# Altium PCB PCB1_OLD.PcbDoc
Units mm, origin at the board's own origin, x right, y up, seen from the top; angles counter-clockwise.
Board outline 110 x 110 mm, 2 copper layers (Top Layer, Bottom Layer); 57 components, 50 nets, 227 pads, 6 vias.
Unrouted connection lines stored in the file: 13.
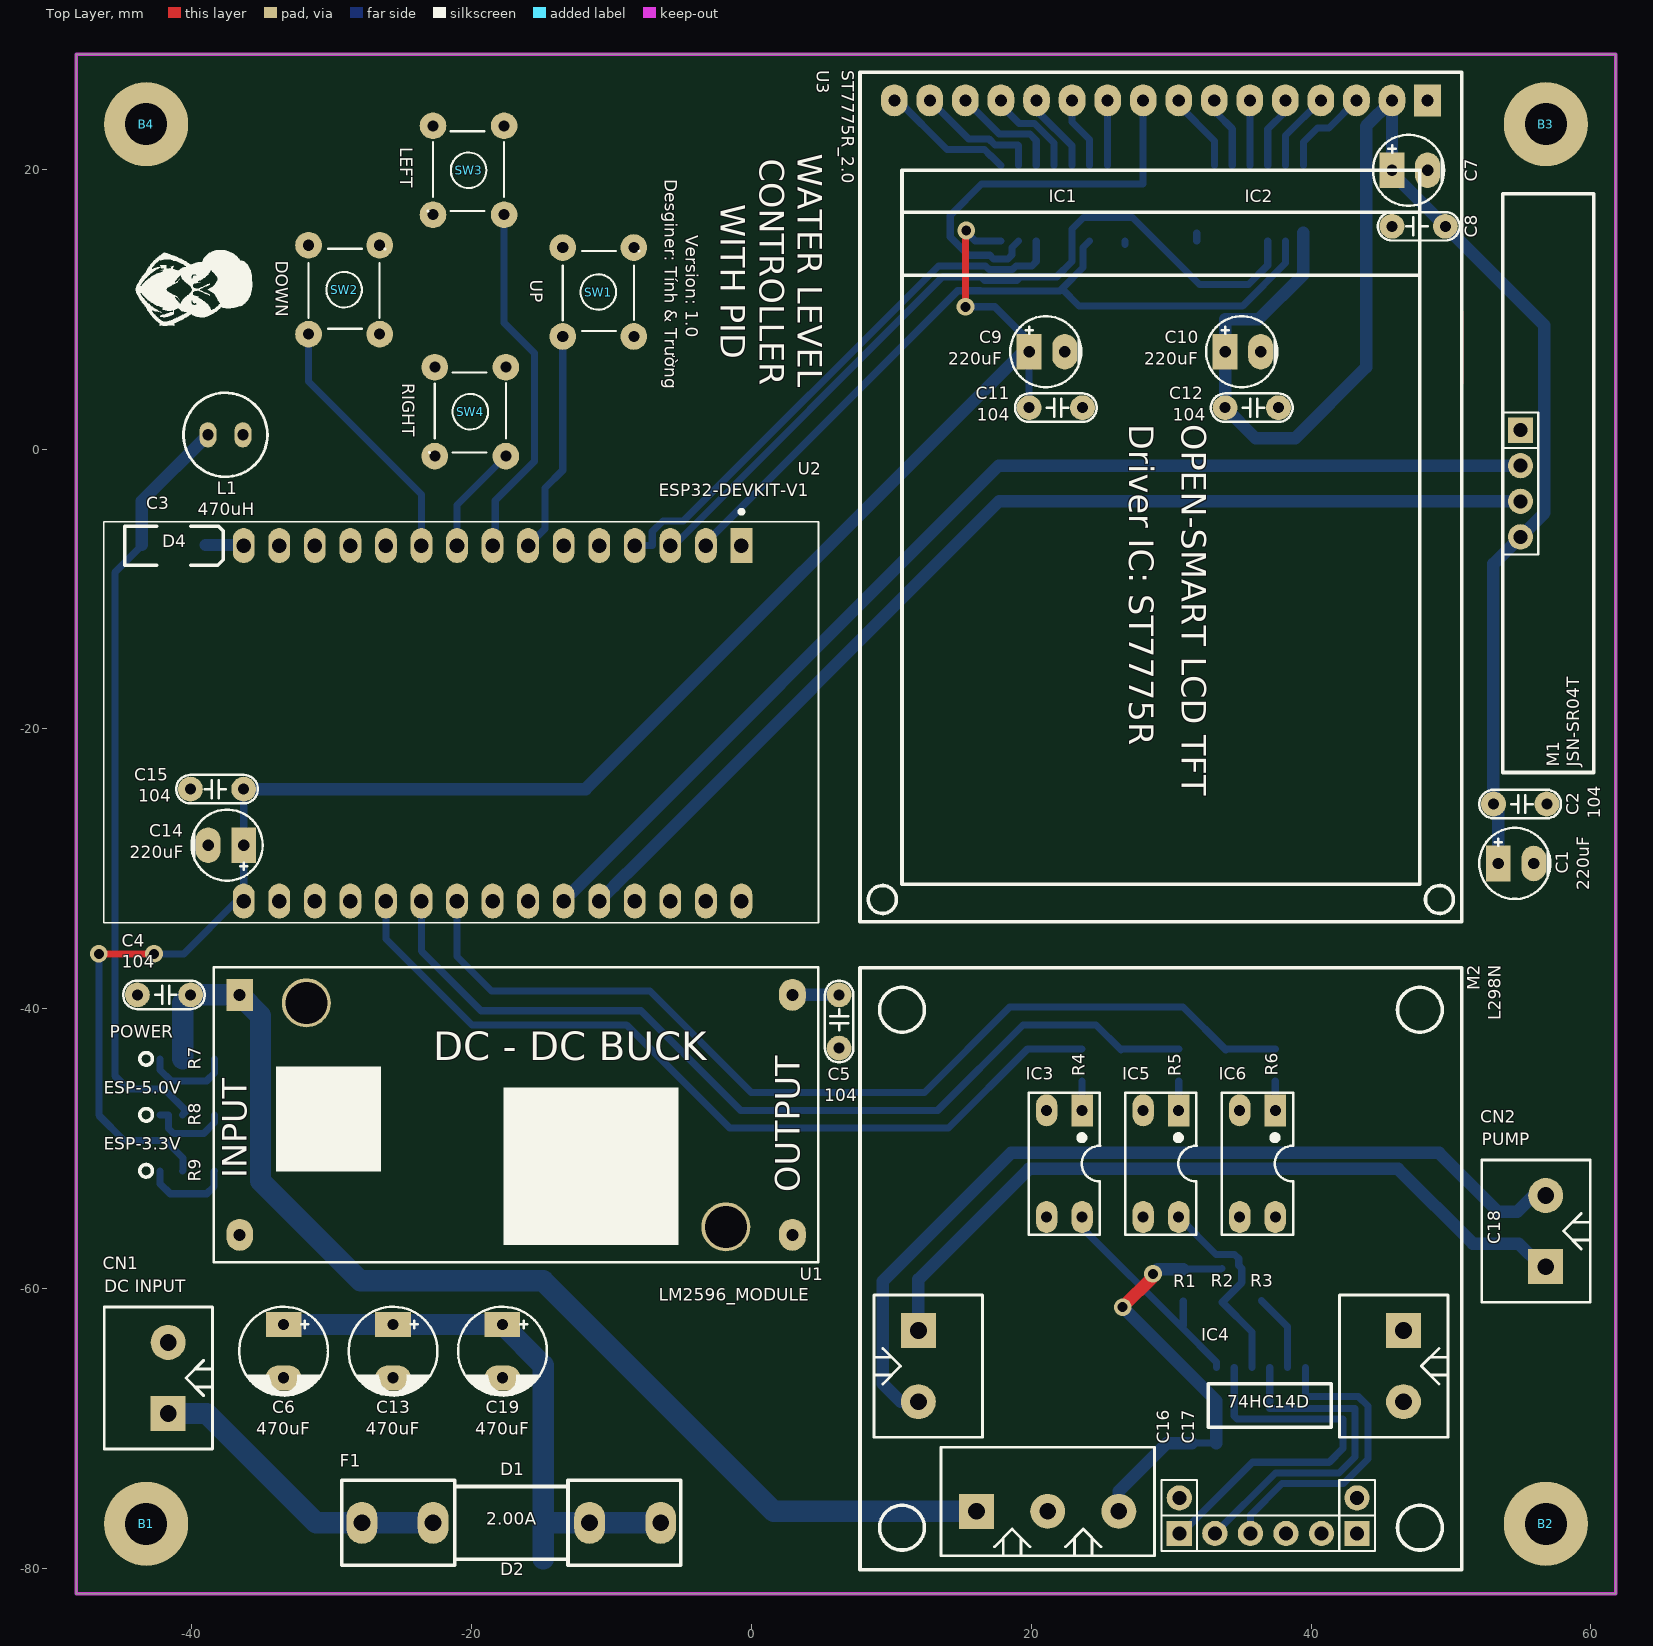
[diagram p0: Top Layer view]
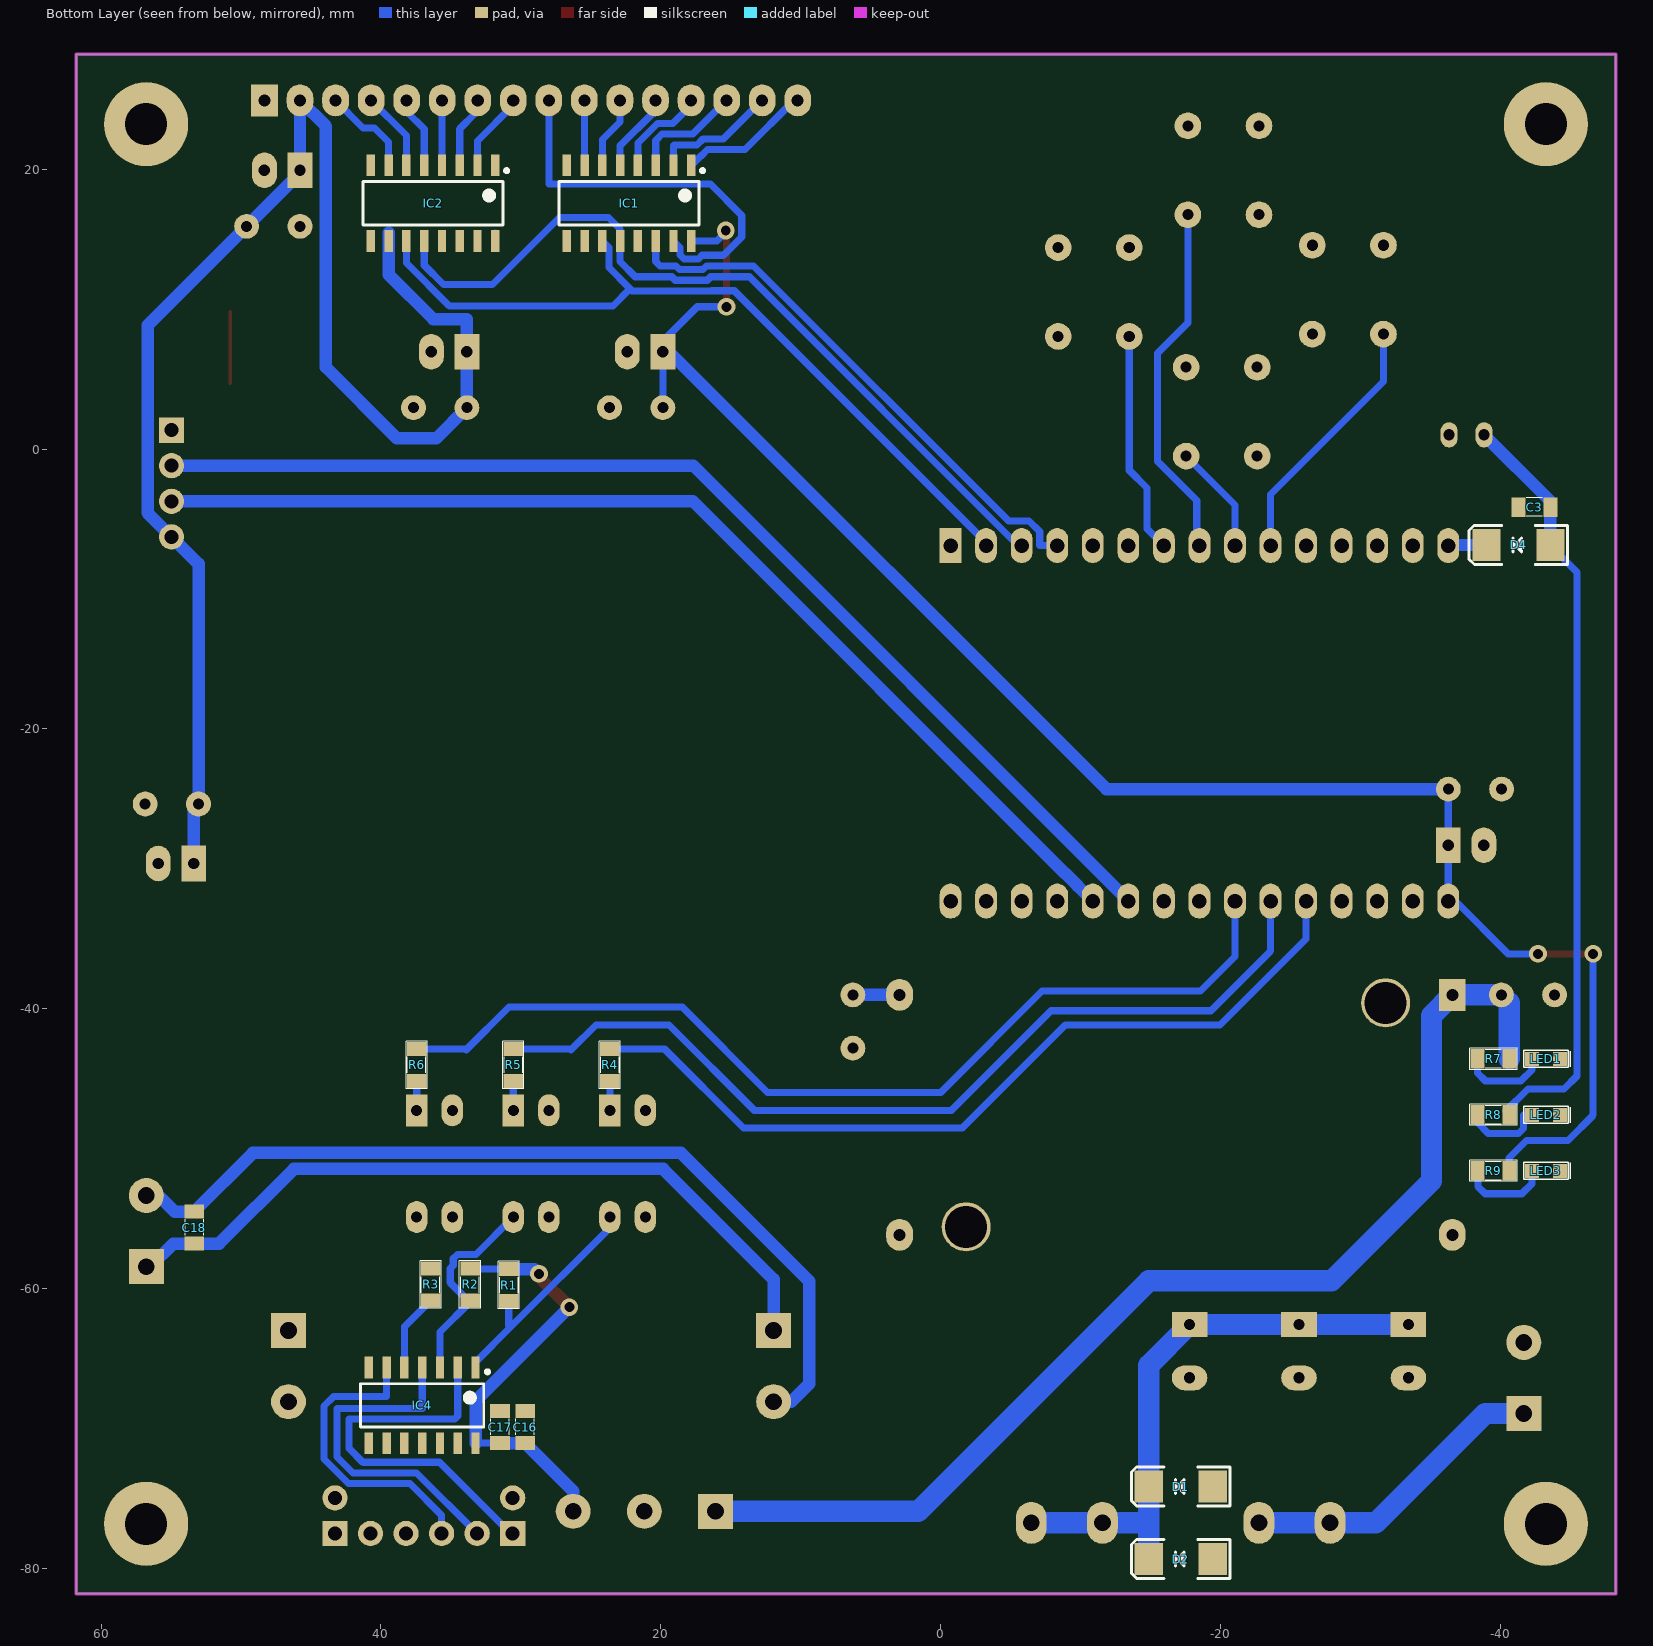
[diagram p1: Bottom Layer view, seen from below]

## Layer stack, top to bottom
Top Solder: solder mask 0.0102, Solder Resist, Dk 3.5
Top Layer: signal copper 0.0356
Dielectric 1: dielectric 0.32, FR-4, Dk 4.8
Bottom Layer: signal copper 0.0356
Bottom Solder: solder mask 0.0102, Solder Resist, Dk 3.5

## Board outline
-48.225,-81.792 61.775,-81.792 61.775,28.208 -48.225,28.208

## Design rules (kind name [scope] priority, off if disabled: settings)
Clearance [All] p1: gap=0.254 ignorepadtopadclearanceinfootprint=FALSE except(0: Arc-Hole Track-Hole SMDPad-Hole THPad-Hole Via-Hole Fill-Hole Poly-Hole Region-Hole Text-Hole)
PolygonConnect [All] p1: connectstyle=Relief reliefconductorwidth=0.254 reliefentries=4 polygonreliefangle="90 Angle" airgapwidth=0.254
RoutingVias [All] p1: holewidth=0.711 width=1.27 viastyle="Through Hole" minholewidth=0.711 minwidth=1.27 maxholewidth=0.711 maxwidth=1.27
SolderMaskExpansion [All] p1: expansion=0.102
Width [All] p1: maxlimit=1.524 minlimit=0.508 preferedwidth=0.889 minimp=50.000000 maximp=50.000000 favimp=50.000000
30 further rules are at their usual default settings.

## Components (designator, comment, footprint, x,y, rotation, side; value= is the part's Value field where it differs from the comment)
B1 "Plated Hole" MTG300_600 -43.225,-76.792 r0 top (schematic designator B?)
B2 "Plated Hole" MTG300_600 56.775,-76.792 r0 top (schematic designator B?)
B3 "Plated Hole" MTG300_600 56.775,23.208 r0 top (schematic designator B?)
B4 "Plated Hole" MTG300_600 -43.225,23.208 r0 top (schematic designator B?)
C1 "220uF" Cap-P-2.5/5 53.375,-29.614 r0 top
C2 "104" Cap-Non-150mil 56.844,-25.364 r180 top
C3 "106" CAP-SMD-0805 -42.4,-4.151 r180 bottom
C4 "104" Cap-Non-150mil -40.047,-38.998 r180 top
C5 "104" Cap-Non-150mil 6.284,-38.998 r270 top
C6 "470uF" Cap-P-3.8/6.3 -33.41,-62.551 r270 top
C7 "220uF" Cap-P-2.5/5 45.786,19.913 r0 top
C8 "104" Cap-Non-150mil 45.786,15.913 r0 top
C9 "220uF" Cap-P-2.5/5 19.863,6.95 r0 top
C10 "220uF" Cap-P-2.5/5 33.863,6.95 r0 top
C11 "104" Cap-Non-150mil 23.673,2.95 r180 top
C12 "104" Cap-Non-150mil 37.673,2.95 r180 top
C13 "470uF" Cap-P-3.8/6.3 -25.59,-62.551 r270 top
C14 "220uF" Cap-P-2.5/5 -36.257,-28.301 r180 top
C15 "104" Cap-Non-150mil -40.067,-24.301 r0 top
C16 "106" CAP-SMD-0805 29.694,-69.888 r270 bottom
C17 "104" CAP-SMD-0805 31.494,-69.888 r270 bottom
C18 "104" CAP-SMD-0805 53.34,-55.626 r270 bottom
C19 "470uF" Cap-P-3.8/6.3 -17.77,-62.551 r270 top
CN1 "DC INPUT" KF2/5.08 -41.655,-66.372 r90 top
CN2 "PUMP" KF2/5.08 56.769,-55.88 r90 top
D1 "SS14" "SOD 106" -17.151,-74.128 r180 bottom
D2 "SS14" "SOD 106" -17.151,-79.31 r180 bottom
D4 "SS14" "SOD 106" -41.275,-6.858 r180 bottom
F1 "2.00A" Fuse-Dip1 -17.125,-76.719 r0 top
IC1 "SN74HC595D" SOIC127P600X175-16N 22.276,17.563 r270 bottom
IC2 "SN74HC595D" SOIC127P600X175-16N 36.276,17.563 r270 bottom
IC3 "FOD817DSD" DIP4 22.378,-51.058 r180 top
IC4 "74HC14D" SOIC127P600X175-14N 37.054,-68.33 r270 bottom
IC5 "FOD817DSD" DIP4 29.276,-51.058 r180 top
IC6 "FOD817DSD" DIP4 36.174,-51.058 r180 top
L1 "470uH" L-DIP-M-5.3 -37.563,1.016 r180 top value="150 mH"
LED1 "POWER" LED-0805 -43.231,-43.571 r180 bottom
LED2 "ESP-5.0V" LED-0805 -43.231,-47.571 r180 bottom
LED3 "ESP-3.3V" LED-0805 -43.231,-51.571 r180 bottom
M1 "JSN-SR04T" JSN-SR04T 53.692,-23.114 r0 top
M2 "L298N" L298N_MODULE 50.776,-80.068 r90 top
R1 "1K" RES-SMD-0805 30.869,-59.741 r90 bottom
R2 "1K" RES-SMD-0805 33.63,-59.69 r90 bottom
R3 "1K" RES-SMD-0805 36.449,-59.69 r90 bottom
R4 "1K" RES-SMD-0805 23.648,-43.998 r90 bottom
R5 "1K" RES-SMD-0805 30.546,-43.998 r90 bottom
R6 "1K" RES-SMD-0805 37.444,-43.998 r90 bottom
R7 "1K" RES-SMD-0805 -39.481,-43.571 r180 bottom
R8 "1K" RES-SMD-0805 -39.481,-47.571 r180 bottom
R9 "1K" RES-SMD-0805 -39.481,-51.571 r180 bottom
SW1 "UP" Button-Dip4/6x6 -10.922,11.216 r90 top value="Button chip 4 pin"
SW2 "DOWN" Button-Dip4/6x6 -29.083,11.383 r90 top value="Button chip 4 pin"
SW3 "LEFT" Button-Dip4/6x6 -20.193,19.913 r270 top value="Button chip 4 pin"
SW4 "RIGHT" Button-Dip4/6x6 -20.066,2.667 r270 top value="Button chip 4 pin"
U1 "LM2596_MODULE" LM2596_MODULE -38.389,-37.03 r0 top
U2 "ESP32-DEVKIT-V1" MODULE_ESP32-DEVKITC-32D -20.457,-19.601 r270 top
U3 "ST7775R_2.0" LCD_176X220_MODULE 47.776,19.913 r180 top

## Footprints (in the part's own frame and the unit in brackets; to place one, negate y for a bottom-side part, rotate by r counter-clockwise, add the part's x,y. Pads: shape width x height; smd on the part's side, far side on the other; paste and mask are expansions set on the pad)
Button-Dip4/6x6 [mil] "SW button 4pin, 250 x250 mil"
  round 75 hole 31: 1(-125,100) 2(-125,-100) 3(125,-100) 4(125,100)
  silkscreen extent -110,-115 115,100, body extent -156,-122 156,122, height 276
Cap-Non-150mil [mil]
  round 70 hole 31: 1(0,0) 2(150,0)
  silkscreen extent -40,-40 190,40, body extent -40,-33 190,33, height 235
Cap-P-2.5/5 [mil] "Tu hoa < 22uF/16>50V"
  rect 70x100 hole 32: 1(0,0)
  oval 70x100 hole 32: 2(100,0)
  silkscreen extent -53,-100 147,100, body extent -49,-99 149,99, height 287
Cap-P-3.8/6.3 [mil] "Tu hoa 33 >100 uF,50V, 220uF/16V,25V ( it su dung )"
  rect 70x100 hole 32: 1(0,0)
  oval 70x100 hole 32: 2(150,0)
  silkscreen extent -50,-125 200,125, body extent -46,-121 202,127, height 434
CAP-SMD-0805 [mil]
  rect 39.37x55 smd: 1(-45,0) 2(45,0)
  silkscreen extent -23,-26 22,26, body extent -39,-25 39,25, height 30
DIP4 [mil]
  rect 60x90 hole 31: 1(-50,-150)
  oval 60x90 hole 31: 2(50,-150) 3(50,150) 4(-50,150)
  silkscreen extent -100,-200 100,200, body extent -109,-157 109,157, height 170
Fuse-Dip1 [mm]
  oval 2.2x3 hole 1.2: 1(-10.684,0) 1(-5.604,0) 2(5.579,0) 2(10.659,0)
  silkscreen extent -12.12,-3.05 12.09,3.05, body extent -10.84,-2.95 10.87,2.95, height 9.75
JSN-SR04T [mm]
  round 1.8 hole 1: 1(1.27,16.84) 2(1.27,19.38) 3(1.27,21.92)
  rect 1.8x1.8 hole 1: 4(1.27,24.46)
  silkscreen extent 0,0 6.5,41.36, body extent -4.45,0 13.7,41.36, height 28.44
KF2/5.08 [mm]
  rect 2.5x2.5 hole 1.2: 1(-2.54,0)
  round 2.5 hole 1.2: 2(2.54,0)
  silkscreen extent -5.08,-3.18 5.08,4.57, body extent -5.6,-3 5,4.6, height 10.1
L298N_MODULE [mm]
  round 1.8 hole 1: 0(5.13,20.19) 0(5.13,7.49) 2(2.59,17.65) 3(2.59,15.11) 4(2.59,12.57) 5(2.59,10.03)
  rect 1.8x1.8 hole 1: 1(2.59,20.19) 6(2.59,7.49)
  round 2.5 hole 1.2: 7(4.17,24.51) 8(4.17,29.59) 11(12,38.83) 12(12,4.17)
  rect 2.5x2.5 hole 1.2: 9(4.17,34.67) 10(17.08,38.83) 13(17.08,4.17)
  silkscreen extent 0,0 43,43, body extent 0,0 43,43, height 27.1
L-DIP-M-5.3 [mm] "THT Inductor, 2-Leads, Body 5.3  mm"
  oval 1.2x1.8 hole 0.8: 1(-1.25,0) 2(1.25,0)
  silkscreen extent -3,-3 3,3, body extent -2.44,-2.44 2.44,2.45, height 7.6
LCD_176X220_MODULE [mm]
  rect 1.905x2.286 hole 0.864: 1(-0.55,-5)
  oval 1.905x2.286 hole 0.864: 2(1.99,-5) 3(4.53,-5) 4(7.07,-5) 5(9.61,-5) 6(12.15,-5) 7(14.69,-5) 8(17.23,-5) 9(19.77,-5) 10(22.31,-5) 11(24.85,-5) 12(27.39,-5) 13(29.93,-5) 14(32.47,-5) 15(35.01,-5) 16(37.55,-5)
  silkscreen extent -3,-7 40,53.7
LED-0805 [mm]
  rect 1x1 smd mask+0.05: 1(-1,0) 2(1,0)
  silkscreen extent -1.6,-0.61 1.75,0.61, body extent -1.03,-0.45 1.03,0.45, height 0.85
LM2596_MODULE [mil]
  rect 75x90 hole 34: 1(72.52,-77.48)
  oval 75x90 hole 34: 2(72.52,-752.52) 3(1627.48,-752.52) 4(1627.48,-77.48)
  round 137.8 hole 118.11: ""(260,-100) ""(1440,-730)
  silkscreen extent 0,-830 1700,0, body extent 0,-833 1700,3, height 526
MODULE_ESP32-DEVKITC-32D [mm]
  rect 2.5x1.56 hole 1.04: 1(-12.7,19.76)
  oval 2.5x1.56 hole 1.04: 2(-12.7,17.22) 3(-12.7,14.68) 4(-12.7,12.14) 5(-12.7,9.6) 6(-12.7,7.06) 7(-12.7,4.52) 8(-12.7,1.98) 9(-12.7,-0.56) 10(-12.7,-3.1) 11(-12.7,-5.64) 12(-12.7,-8.18) 13(-12.7,-10.72) 14(-12.7,-13.26) 15(-12.7,-15.8) 16(12.7,-15.8) 17(12.7,-13.26) 18(12.7,-10.72) 19(12.7,-8.18) 20(12.7,-5.64) 21(12.7,-3.1) 22(12.7,-0.56) 23(12.7,1.98) 24(12.7,4.52) 25(12.7,7.06) 26(12.7,9.6) 27(12.7,12.14) 28(12.7,14.68) 29(12.7,17.22) 30(12.7,19.76)
  silkscreen extent -15.25,-25.81 14.25,25.27, body extent -14.33,-25.73 14.17,25.2, height 10.16
MTG300_600 [mm] "Plated Through Hole: Hole Dia.=3.0mm Pad Dia.=6.0mm"
  round 6 hole 3: 1(0,0)
RES-SMD-0805 [mil]
  rect 39.37x55 smd mask+1.97: 1(-45,0) 2(45,0)
  silkscreen extent -67,-30 67,30, body extent -45,-27 45,27, height 30
"SOD 106" [mil]
  rect 80x90.55 smd: 1(90,0) 2(-90,0)
  silkscreen extent -139,-55 138,55, body extent -98,-51 98,51, height 79
SOIC127P600X175-14N [mm] "SOIC 14, Pitch 1.27mm - Body 4x8.75mm, IPC Medium Density"
  rect 1.55x0.6 smd: 1(-2.7,3.81) 2(-2.7,2.54) 3(-2.7,1.27) 4(-2.7,0) 5(-2.7,-1.27) 6(-2.7,-2.54) 7(-2.7,-3.81) 8(2.7,-3.81) 9(2.7,-2.54) 10(2.7,-1.27) 11(2.7,0) 12(2.7,1.27) 13(2.7,2.54) 14(2.7,3.81)
  silkscreen extent -2.52,-4.4 1.55,4.78, body extent -3.1,-4.37 3.1,4.38, height 1.75
SOIC127P600X175-16N [mm] "SOIC 16, Pitch 1.27mm - Body 4x10mm, IPC Medium Density"
  rect 1.55x0.6 smd: 1(-2.7,4.445) 2(-2.7,3.175) 3(-2.7,1.905) 4(-2.7,0.635) 5(-2.7,-0.635) 6(-2.7,-1.905) 7(-2.7,-3.175) 8(-2.7,-4.445) 9(2.7,-4.445) 10(2.7,-3.175) 11(2.7,-1.905) 12(2.7,-0.635) 13(2.7,0.635) 14(2.7,1.905) 15(2.7,3.175) 16(2.7,4.445)
  silkscreen extent -2.45,-5 1.55,5.37, body extent -3.1,-5 3.1,5, height 1.75

## Part data
B1 B2 B3 B4: library part PLATED_HOLE3.0_PAD6.0, "Single Terminal Socket", Author="CERN DEM JLC", ComponentHeight=0mm, Component Type="Standard (No BOM)", CreateDate=5/26/2008, Family="Plated Hole", HelpURL=Undefined, LatestRevisionDate=5/26/2008, Mounted=No, PackageDescription="Plated Through Hole: Hole Dia.=3.0mm Pad Dia.=6.0mm", Part Description="Plated Through Hole: Hole Dia.=3.0mm Pad Dia.=6.0mm", Part Number=PLATED_HOLE3.0_PAD6.0, Pin Count=1, Sense=No, SMD=No, Socket=No, Status=None
C1 C6 C7 C9 C10 C13 C14 C19: library part Cap-Pol-Dip, "Polarized capacitor"
C2 C4 C5 C8 C11 C12 C15 C18: library part Cap-Non-Dip, "Non-polar capacitor"
C3 C16 C17: library part Cap-Non-SMD, "Non-polar capacitor"
CN1 CN2: library part "KF 2"
D1 D2 D4: library part "Diode SMD", "Diode SMD"
F1: library part "Fuse Dip"
IC1 IC2: "8-Bit Shift Register With 3-State Output Register", Case=SOIC16, Manufacturer="TEXAS INSTRUMENTS", Author="CERN DEM JLC", Bonding=No, ComponentHeight=1.75mm, Component Type=Standard, CreateDate=6/5/2012, Device=SN74HC595D, HelpURL=\\cern.ch\dfs\Applications\Altium\Datasheets\SN74HC595D.pdf, LatestRevisionDate=6/5/2012, Manufacturer Part Number=SN74HC595D, Mounted=Yes, PackageDescription="SOIC 16, Pitch 1.27mm - Body 4x10mm, IPC Medium Density", Part Description="8-Bit Shift Register With 3-State Output Registers", Part Number=SN74HC595D, Pin Count=16, PressFit=No, Sense=No, SMD=Yes, Socket=No
IC3 IC5 IC6: "Single Optocoupler", Case=SOIC4, Manufacturer="FAIRCHILD SEMICONDUCTOR", Author="CERN DEM JLC", Bonding=No, ComponentHeight=4.6mm, Component Type=Standard, CreateDate=7/21/2014, Device=FOD817DSD, HelpURL=\\cern.ch\dfs\Applications\Altium\Datasheets\FOD817DSD.pdf, LatestRevisionDate=7/21/2014, Manufacturer Part Number=FOD817DSD, Mounted=Yes, PackageDescription="SOIC, 2.54mm Pitch, 4 Pin, Body 6.5mm W X 4.6mm L X 4.6mm H", Part Description="4-Pin High Operating Temperature Phototransistor Optocoupler", Part Number=FOD817DSD, Pin Count=4, PressFit=No, Sense=No, SMD=Yes, Socket=No
IC4: "Hex Schmitt-Trigger Inverter", Case=SOIC14, Manufacturer="NXP SEMICONDUCTORS", Author="CERN DEM JLC", Bonding=No, ComponentHeight=1.75mm, Component Type=Standard, CreateDate=8/26/2014, Device=74HC14D, HelpURL=\\cern.ch\dfs\Applications\Altium\Datasheets\74HC14D.pdf, LatestRevisionDate=8/26/2014, Manufacturer Part Number=74HC14D, Mounted=Yes, PackageDescription="SOIC 14, Pitch 1.27mm - Body 4x8.75mm, IPC Medium Density", Part Description="Hex  Inverterting Schmitt-Trigger", Part Number=74HC14D, Pin Count=14, PressFit=No, Sense=No, SMD=Yes, Socket=No
L1: library part IND-DIP-1, "Inductor"
LED1 LED2 LED3: library part LED_SMD
R1 R2 R3 R4 R5 R6 R7 R8 R9: library part "Res 1/4W", "Resistor 1/4W"
SW1 SW2 SW3 SW4: library part Button-4, "Switch button 4 pin"
U2: "- Transceiver; 802.11 b/g/n _Wi-Fi, WiFi, WLAN_, Bluetooth® Smart Ready 4.x Dual Mode For Use With ESP-WROOM-32", Package=None, Availability=Unavailable, MF="Espressif Systems", MP=ESP32-DEVKITC-32D, Price=None, SnapEDA_Link=https://www.snapeda.com/parts/ESP32-DEVKITC-32D/Espressif%20Systems/view-part/2777395/?ref=snap
U3: library part LCD_176x220_ST7775R, ComponentLink1Description=Wiki, ComponentLink1URL=http://www.lcdwiki.com/2.8inch_SPI_Module_ILI9341_SKU:MSP2807
U1: ComponentLink1Description=DATASHEET, ComponentLink1URL=http://tpelectronic.ir/datasheets/20150123144301750.pdf

## Via types
v1: diameter 1.27, hole 0.711, Top Layer to Bottom Layer, 6 vias

## Nets (pads, with @x,y where several pads share a name; then routed paths per layer and width w, separated by ;. In a path a pad name is that pad's centre, name@x,y a point inside that pad or via, vN(x,y) a via of type N, cw(c..) or ccw(c..) an arc to the next point about the centre after c; other vN are vias at no path point)
+3.3V: C1.1 C2.2 C7.1 C8.2 C9.1 C10.1 C11.2 C12.2 C14.1 C15.2 IC1.10 IC1.16 IC2.10 IC2.16 M1.1 R9.2 U2.16 U3.2 | length 237.9
  Top Layer w0.508: v1(-46.609,-36.068) v1(-42.672,-36.068) ; v1(15.306,10.16) 15.306,15.56 v1(15.367,15.621)
  Bottom Layer w0.508: v1(-46.609,-36.068) -46.609,-47.597 -44.803,-49.403 -41.845,-49.403 -40.588,-50.66 -40.588,-51.535 R9.2 ; v1(-42.672,-36.068) -40.532,-36.068 -36.765,-32.301 U2.16 C14.1 C15.2 ; v1@15.306,10.327 v1(15.306,10.16) 17.399,10.16 19.863,7.696 C9.1 ; v1(15.367,15.621) 15.367,15.502 16.006,14.863 IC1.16 ; C9.1@19.418,6.95 C9.1 ; C11.2 C9.1 ; IC2.16 IC2.16@31.831,15.434
  Bottom Layer w0.889: C15.2 -11.833,-24.301 C9.1@19.418,6.95 ; IC2.10@39.451,15.448 IC2.10 39.451,12.466 36.257,9.271 33.863,9.271 C10.1 C12.2 36.052,0.762 38.862,0.762 43.942,5.842 43.942,23.069 U3.2 C7.1 45.786,19.723 C8.2 56.677,8.833 56.677,-4.559 M1.1 53.034,-8.201 C2.2 53.375,-25.705 C1.1
+5V: C16.2 C17.2 IC4.14 M2.7 R1.2 R2.2 R3.2 | length 30.7
  Top Layer w0.889: v1(26.543,-61.315) 28.702,-59.156 v1(28.702,-58.928)
  Bottom Layer w0.508: R1.2 33.579,-58.598 R2.2 ; C17.2 IC4.14
  Bottom Layer w0.889: M2.7 26.266,-74.458 C16.2 C17.2 ; v1(26.543,-61.315) 33.244,-68.016 IC4.14 ; v1(28.702,-58.928) 29.032,-58.598 R1.2
+12V: C4.1 M2.9 R7.2 U1.1 | length 83.2
  Bottom Layer w1.524: R7.2 -40.624,-39.575 C4.1 U1.1 -35.052,-40.494 -35.052,-52.299 -27.915,-59.436 -14.859,-59.436 1.603,-75.898 M2.9
BD: SW2.1 SW2.4 U2.10 | length 18.4
  Bottom Layer w0.508: SW2.1 -31.623,4.826 -23.557,-3.24 U2.10
BL: SW3.1 SW3.4 U2.8 | length 25.8
  Bottom Layer w0.508: U2.8 -18.288,-6.712 -18.288,-3.687 -15.494,-0.893 -15.494,6.858 -17.653,9.017 SW3.4
BR: SW4.1 SW4.4 U2.9 | length 7.8
  Bottom Layer w0.508: U2.9 -21.017,-3.999 SW4.4
BU: SW1.1 SW1.4 U2.7 | length 16
  Bottom Layer w0.508: U2.7 -14.732,-5.696 -14.732,-2.794 -13.462,-1.524 SW1.1
GND: B1.1 B2.1 B3.1 B4.1 C1.2 C2.1 C3.1 C4.2 C5.2 C6.2 C7.2 C8.1 C9.2 C10.2 C11.1 C12.1 C13.2 C14.2 C15.1 C16.1 C17.1 C19.2 CN1.2 D1.1 D2.1 IC1.8 IC1.13 IC2.8 IC2.13 IC3.2 IC3.3 IC4.7 IC5.2 IC5.3 IC6.2 IC6.3 LED1.2 LED2.2 LED3.2 M1.4 M2.8 SW1.2 SW1.3 SW2.2 SW2.3 SW3.2 SW3.3 SW4.2 SW4.3 U1.2 U1.3 U2.14 U2.17 U3.1
LCD_CS: IC2.7 U3.3 | length 6.7
  Bottom Layer w0.508: IC2.7 39.451,21.941 40.453,22.942 41.276,22.942 U3.3
LCD_DB0: IC1.15 U3.9 | length 28.6
  Bottom Layer w0.508: IC1.15 18.639,14.401 18.639,13.878 18.342,13.58 17.321,13.58 17.058,13.843 15.529,13.843 14.224,15.148 14.224,16.694 16.452,18.923 28.006,18.923 U3.9
LCD_DB1: IC1.7 U3.10 | length 4.7
  Bottom Layer w0.508: IC1.7 25.451,24.898 U3.10
LCD_DB2: IC1.6 U3.11 | length 5.2
  Bottom Layer w0.508: U3.11 22.926,23.368 24.181,22.113 IC1.6
LCD_DB3: IC1.5 U3.12 | length 5.8
  Bottom Layer w0.508: U3.12 20.386,24.064 20.426,24.024 20.551,24.024 22.911,21.664 IC1.5
LCD_DB4: IC1.4 U3.13 | length 6.2
  Bottom Layer w0.508: U3.13@18.051,24.38 18.051,24.367 19.156,23.262 20.236,23.262 21.641,21.856 IC1.4
LCD_DB5: IC1.3 U3.14 | length 8
  Bottom Layer w0.508: U3.14 17.719,22.5 19.92,22.5 20.371,22.049 IC1.3
LCD_DB6: IC1.2 U3.15 | length 9.1
  Bottom Layer w0.508: U3.15 15.518,22.162 16.98,22.162 17.425,21.717 19.05,21.717 19.101,21.666 IC1.2
LCD_DB7: IC1.1 U3.16 | length 9.5
  Bottom Layer w0.508: U3.16 10.476,24.913 13.992,21.398 16.667,21.398 17.109,20.955 17.14,20.955 IC1.1
LCD_LED: IC2.2 U3.8 | length 5.7
  Bottom Layer w0.508: U3.8 30.546,24.572 33.101,22.017 IC2.2
LCD_RD: IC2.4 U3.6 | length 4.7
  Bottom Layer w0.508: U3.6 35.626,20.278 IC2.4
LCD_RS: IC2.6 U3.4 | length 5.7
  Bottom Layer w0.508: IC2.6 38.181,22.388 U3.4
LCD_RST: IC2.3 U3.7 | length 5.2
  Bottom Layer w0.508: U3.7 33.274,24.726 33.274,23.973 34.371,22.876 IC2.3
LCD_WR: IC2.5 U3.5 | length 5.2
  Bottom Layer w0.508: IC2.5 36.911,22.86 38.166,24.115 U3.5
MEN: R4.2 U2.20 | length 60.4
  Bottom Layer w0.508: U2.20 -26.097,-35.006 -19.955,-41.148 -8.894,-41.148 -1.528,-48.514 14.097,-48.514 19.755,-42.856 R4.2
MIN: R6.2 U2.22 | length 70.3
  Bottom Layer w0.508: U2.22 -21.017,-36.26 -18.542,-38.735 -7.239,-38.735 0,-45.974 12.376,-45.974 18.472,-39.878 30.861,-39.878 33.909,-42.926 33.979,-42.856 R6.2
MIP: R5.2 U2.21 | length 65.7
  Bottom Layer w0.508: U2.21 -23.557,-35.879 -19.304,-40.132 -7.874,-40.132 -0.758,-47.248 13.331,-47.248 19.431,-41.148 24.638,-41.148 26.416,-42.926 26.486,-42.856 R5.2
MN: C18.1 CN2.2 M2.11 | length 63.8
  Bottom Layer w0.889: M2.11 10.676,-68.068 9.406,-66.798 9.406,-59.45 18.565,-50.292 49.149,-50.292 C18.1 54.737,-54.483 55.88,-53.34 CN2.2
MP: C18.2 CN2.1 M2.10 | length 54.6
  Bottom Layer w0.889: M2.10 11.946,-59.327 19.838,-51.435 46.228,-51.435 51.562,-56.769 C18.2 54.836,-56.769 56.487,-58.42 CN2.1
NetC5_1: C5.1 L1.1 U1.4 | length 3.3
  Bottom Layer w0.889: U1.4 C5.1
NetC6_1: C6.1 C13.1 C19.1 D1.2 D2.2 F1.2 | length 42
  Bottom Layer w1.524: C6.1 C13.1 C19.1 -14.865,-65.457 D1.2 -14.865,-76.792 ; D2.2 -14.865,-76.792 ; F1.2@-6.467,-76.719 -11.547,-76.719 -14.791,-76.719 -14.865,-76.792
NetCN1_1: CN1.1 F1.1 | length 22.2
  Bottom Layer w1.524: CN1.1 -38.89,-68.912 -31.084,-76.719 -27.809,-76.719 F1.1@-22.729,-76.719
NetD4_2: D4.2 U2.15 | length 2.7
  Bottom Layer w0.889: D4.2 -36.3,-6.858 U2.15
NetIC1_9: IC1.9 IC2.14 | length 0.2
  Bottom Layer w0.508: IC1.9@26.721,14.618 IC1.9
NetIC3_1: IC3.1 R4.1 | length 2.1
  Bottom Layer w0.508: IC3.1 R4.1
NetIC3_4: IC3.4 IC4.1 R1.1 | length 16.6
  Bottom Layer w0.508: IC3.4 23.648,-55.652 30.734,-62.738 ; R1.1 30.869,-62.603 30.734,-62.738 ; IC4.1 33.244,-65.248 30.734,-62.738
NetIC4_2: IC4.2 M2.1 | length 27.6
  Bottom Layer w0.508: M2.1 30.726,-77.478 35.814,-72.39 41.298,-72.39 42.291,-71.397 42.291,-69.303 34.729,-69.303 34.514,-69.088 IC4.2
NetIC4_3: IC4.3 IC5.4 R2.1 | length 14.9
  Bottom Layer w0.508: IC5.4 33.217,-57.539 34.539,-57.539 34.836,-57.837 34.836,-58.324 35.052,-58.54 35.052,-59.563 33.655,-60.96 35.784,-63.089 IC4.3
NetIC4_4: IC4.4 M2.2 | length 24.8
  Bottom Layer w0.508: M2.2 37.452,-73.152 42.004,-73.152 43.146,-72.009 43.146,-68.541 37.054,-68.541 IC4.4
NetIC4_5: IC4.5 IC6.4 R3.1 | length 5.6
  Bottom Layer w0.508: R3.1 38.324,-62.708 IC4.5
NetIC4_6: IC4.6 M2.3 | length 22
  Bottom Layer w0.508: M2.3 35.666,-76.183 37.935,-73.914 42.319,-73.914 44.069,-72.164 44.069,-68.387 43.373,-67.691 39.594,-67.691 IC4.6
NetIC5_1: IC5.1 R5.1 | length 2.1
  Bottom Layer w0.508: IC5.1 R5.1
NetIC6_1: IC6.1 R6.1 | length 2.1
  Bottom Layer w0.508: IC6.1 R6.1
NetLED1_1: LED1.1 R7.1 | length 6.2
  Bottom Layer w0.508: LED1.1 -42.231,-44.358 -41.447,-45.142 -38.897,-45.142 -38.338,-44.583 R7.1
NetLED2_1: LED2.1 R8.1 | length 5.9
  Bottom Layer w0.508: LED2.1 -41.632,-47.571 -41.632,-48.538 -41.275,-48.895 -39.116,-48.895 -38.338,-48.117 R8.1
NetLED3_1: LED3.1 R9.1 | length 6.4
  Bottom Layer w0.508: LED3.1 -42.231,-52.493 -41.511,-53.213 -38.897,-53.213 -38.389,-52.705 -38.389,-51.623 R9.1
RCLK: IC1.12 IC2.12 U2.3 | length 58.4
  Bottom Layer w0.508: U2.3 -5.334,-6.901 -5.334,-6.707 13.68,12.308 16.438,12.308 16.69,12.056 18.973,12.056 19.225,12.308 21.833,12.308 22.911,13.386 IC1.12 22.911,15.711 23.749,16.548 27.243,16.548 32.031,11.76 35.541,11.76 36.911,13.13 IC2.12
SER: IC1.14 U2.4 | length 39.4
  Bottom Layer w0.508: U2.4 -7.065,-6.901 -7.065,-5.897 -6.31,-5.143 -4.848,-5.143 13.376,13.081 16.743,13.081 17.005,12.818 18.657,12.818 18.92,13.081 20.066,13.081 20.371,13.386 IC1.14
SONIC_RXD: M1.2 U2.26 | length 77.7
  Bottom Layer w0.889: U2.26 -9.795,-31.239 -9.795,-31.218 -8.929,-30.352 -8.908,-30.352 17.71,-3.734 M1.2
SONIC_TXD: M1.3 U2.25 | length 81.3
  Bottom Layer w0.889: U2.25 -13.397,-32.28 17.689,-1.194 M1.3
SRCLK: IC1.11 IC2.11 U2.2 | length 56.8
  Bottom Layer w0.508: U2.2 -2.921,-6.901 -2.921,-6.377 14.759,11.303 16.365,11.303 16.374,11.294 22.047,11.294 22.204,11.451 23.431,10.223 35.115,10.223 38.181,13.289 IC2.11 ; 22.309,11.557 23.719,12.967 23.719,14.401 IC1.11
V_ESPU: C3.2 D4.1 L1.2 R8.2 | length 55
  Bottom Layer w0.508: D4.1@-43.543,-6.901 -45.466,-8.824 -45.466,-44.777 -44.523,-45.72 -41.946,-45.72 -40.36,-47.307 R8.2
  Bottom Layer w0.889: D4.1 -43.543,-6.84 C3.2 -43.543,-3.714 L1.2
pads on no net: IC2.1 IC2.9 IC2.15 IC4.8 IC4.9 IC4.10 IC4.11 IC4.12 IC4.13 M2.0 M2.4 M2.5 M2.6 M2.12 M2.13 U1. U2.1 U2.5 U2.6 U2.11 U2.12 U2.13 U2.18 U2.19 U2.23 U2.24 U2.27 U2.28 U2.29 U2.30
copper on no net: | length 5.1
  Top Layer w0.254: 50.776,4.713 50.776,9.793

## Polygon pours and split planes (outlines as drawn)
GND on Bottom Layer "GLOBAL_GND" (solid, remove dead copper, shelved, pour order 0): -48.225,28.208 -48.225,-81.792 61.775,-81.792 61.775,28.208

## Keep-outs
Keep-Out Layer:
  the board outline again, w0.254

## Silkscreen, mask and mechanical layers (free items; w line width, h text height)
Top Overlay:
  drawing of 16 lines, arcs and shapes, not listed
  text "WATER LEVEL" at 2.766,21.084 h3 r270
  text "CONTROLLER" at 0.055,20.753 h3 r270
  text "Desginer: Tính & Trường" at -6.477,19.274 h1.5 r270
  text "WITH PID" at -2.734,17.476 h3 r270
  text "Version: 1.0" at -4.953,15.274 h1.5 r270

## Text inside footprints (layer, text, board x,y; h text height)
U1: Top Overlay "OUTPUT" at 4.041,-53.112 h3 r90; Top Overlay "INPUT" at -35.459,-52.112 h3 r90; Top Overlay "DC - DC BUCK" at -22.709,-44.362 h3.5
U3: Top Overlay "Driver IC: ST7775R" at 26.425,1.778 h3 r270; Top Overlay "OPEN-SMART LCD TFT" at 30.18,1.778 h3 r270